# Altium PCB BitDogLab V7.PcbDoc (part 1 of 2)
Units mm, origin at the board's own origin, x right, y up, seen from the top; angles counter-clockwise.
Board outline 90 x 98 mm, 2 copper layers (Top Layer, Bottom Layer); 93 components, 72 nets, 354 pads, 55 vias.
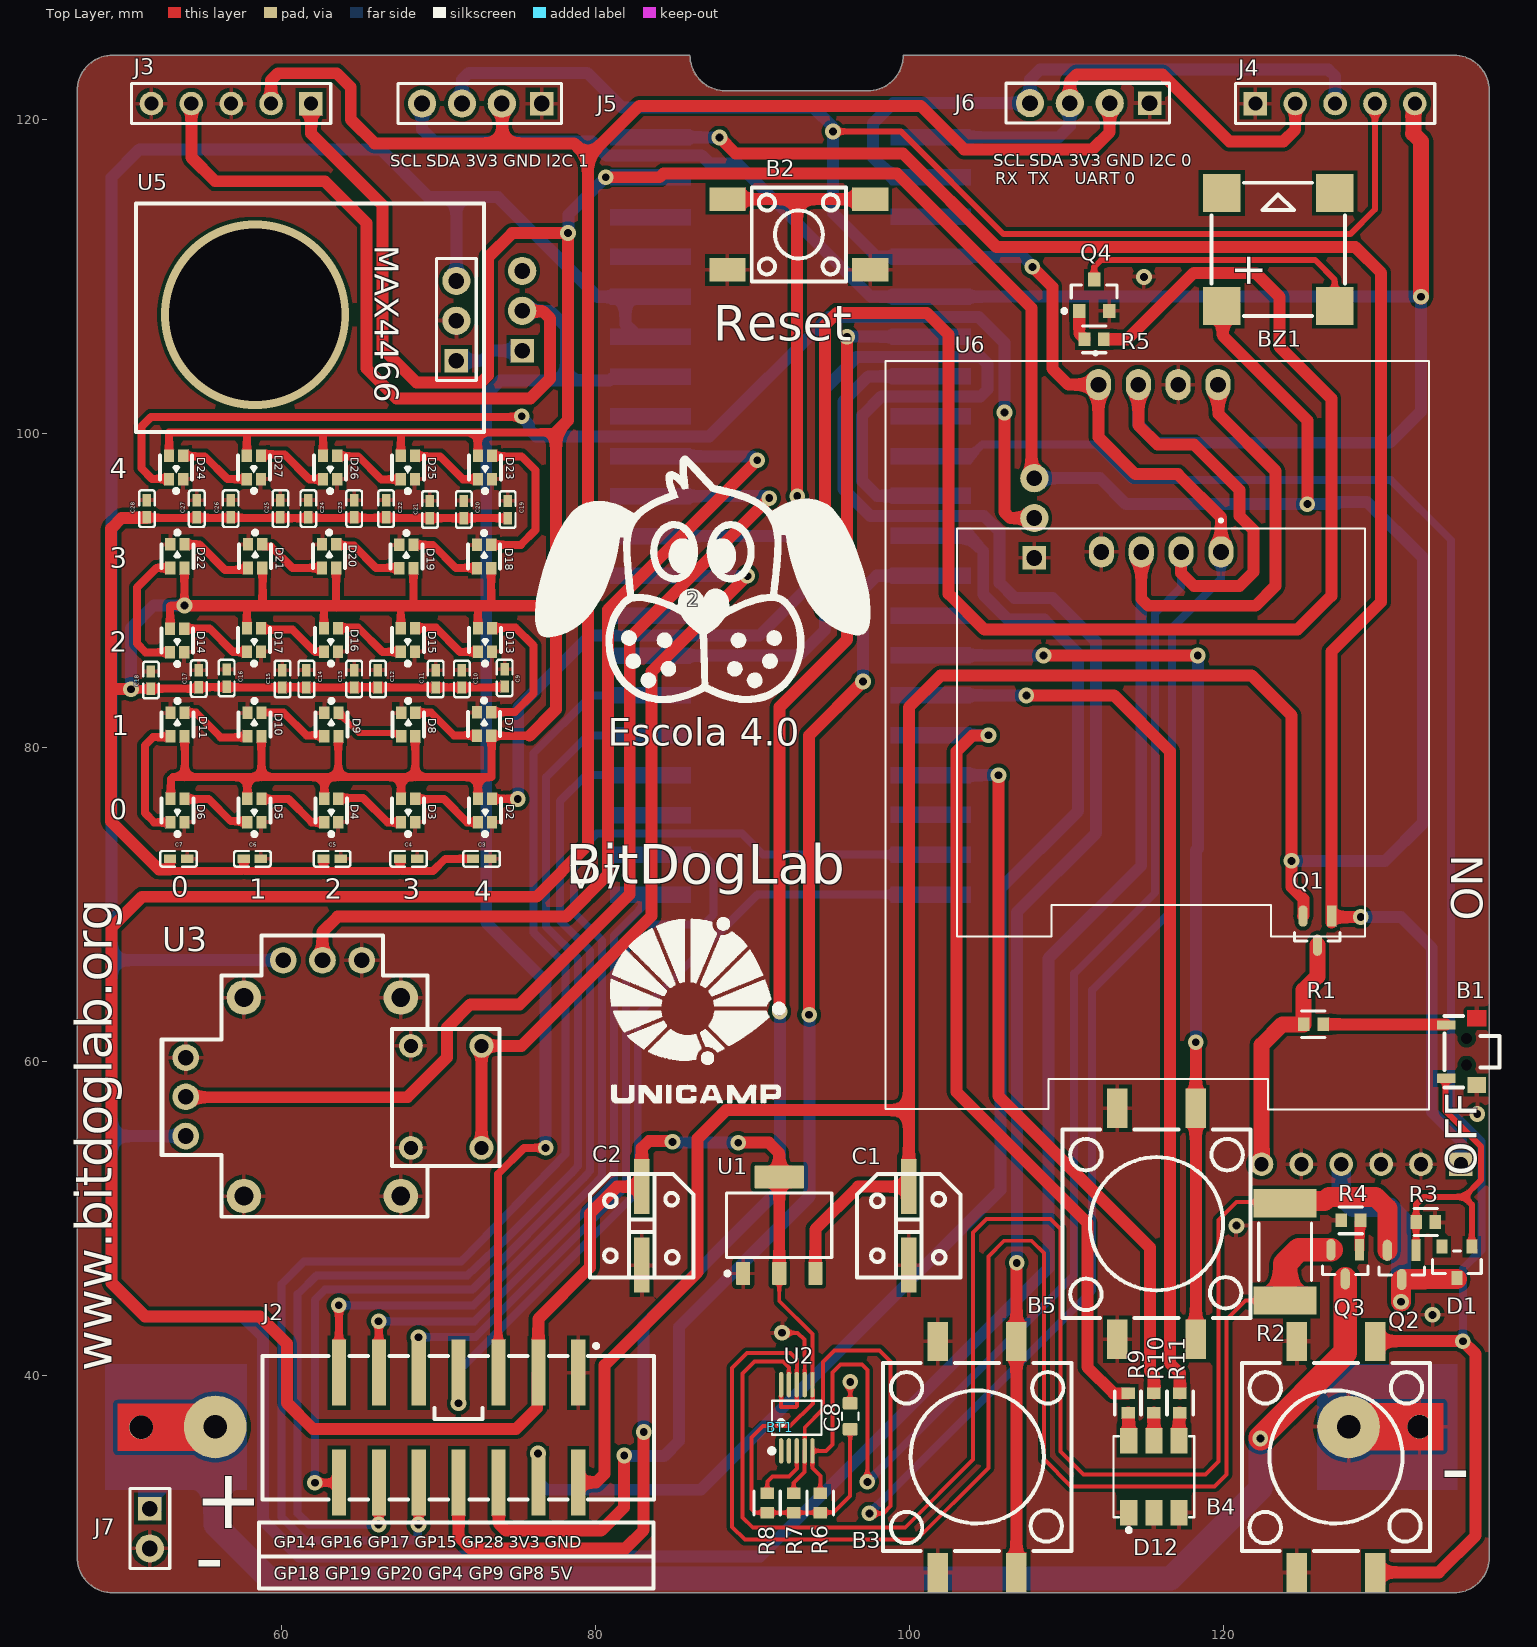
[diagram p0: Top Layer view]
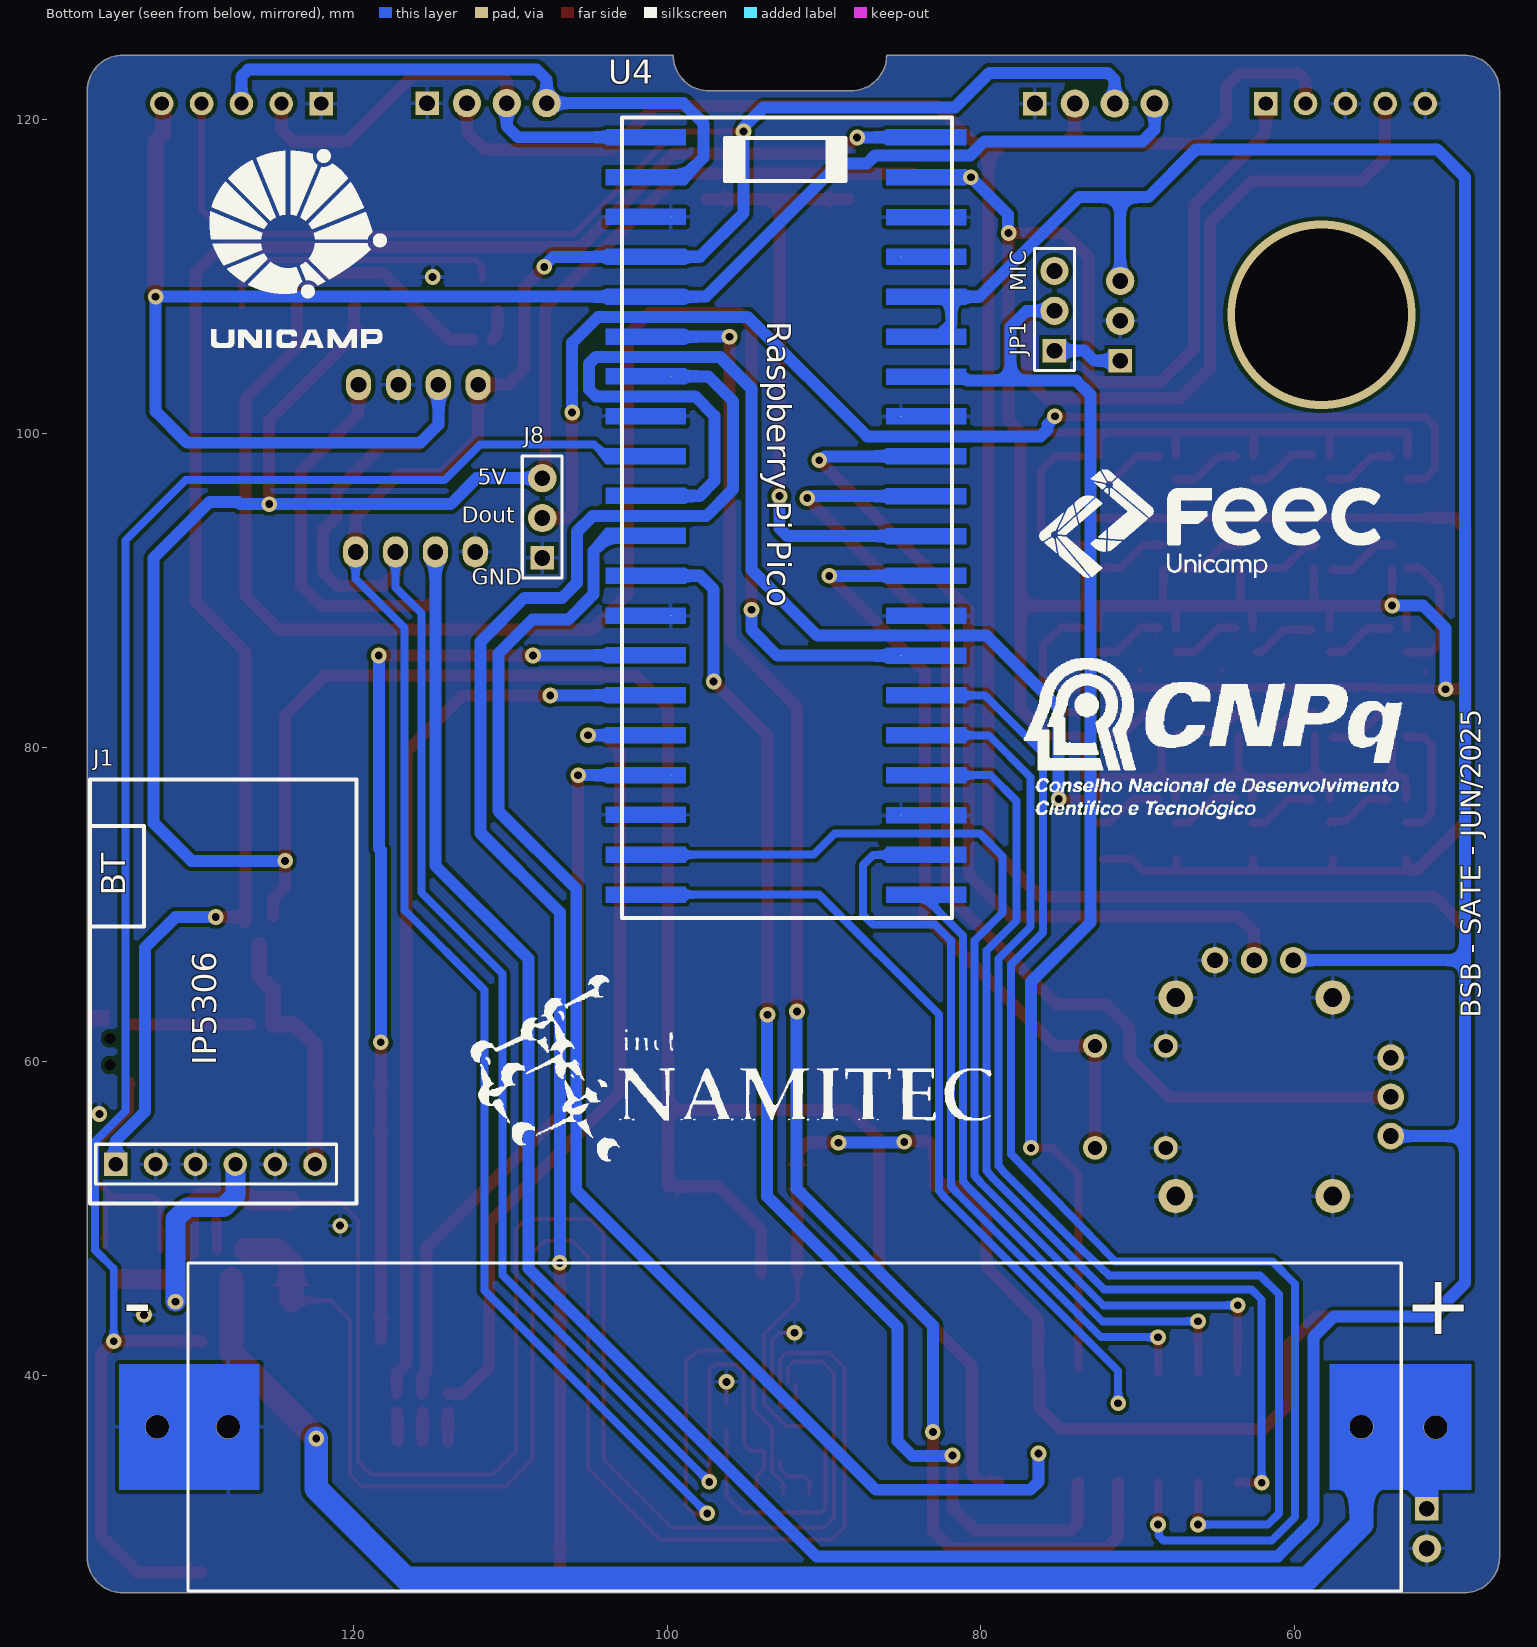
[diagram p1: Bottom Layer view, seen from below]
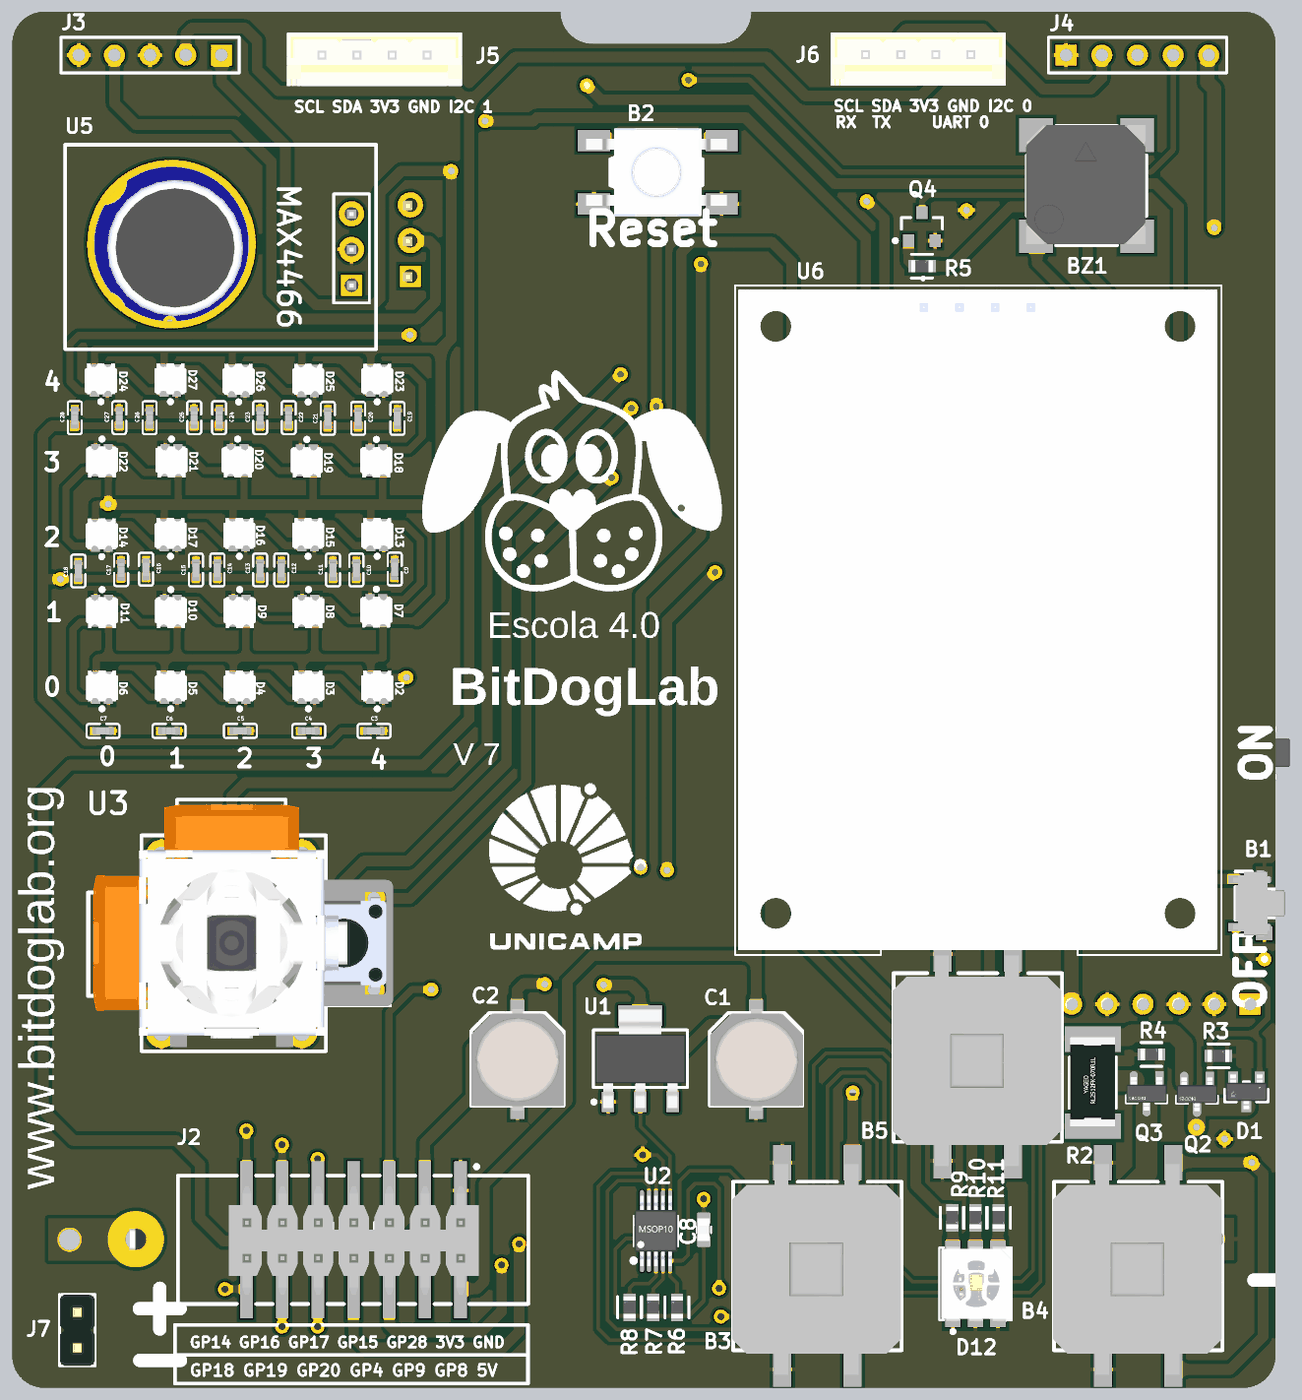
[diagram p3: 3D render of the assembled board from above, using the file's embedded part models]
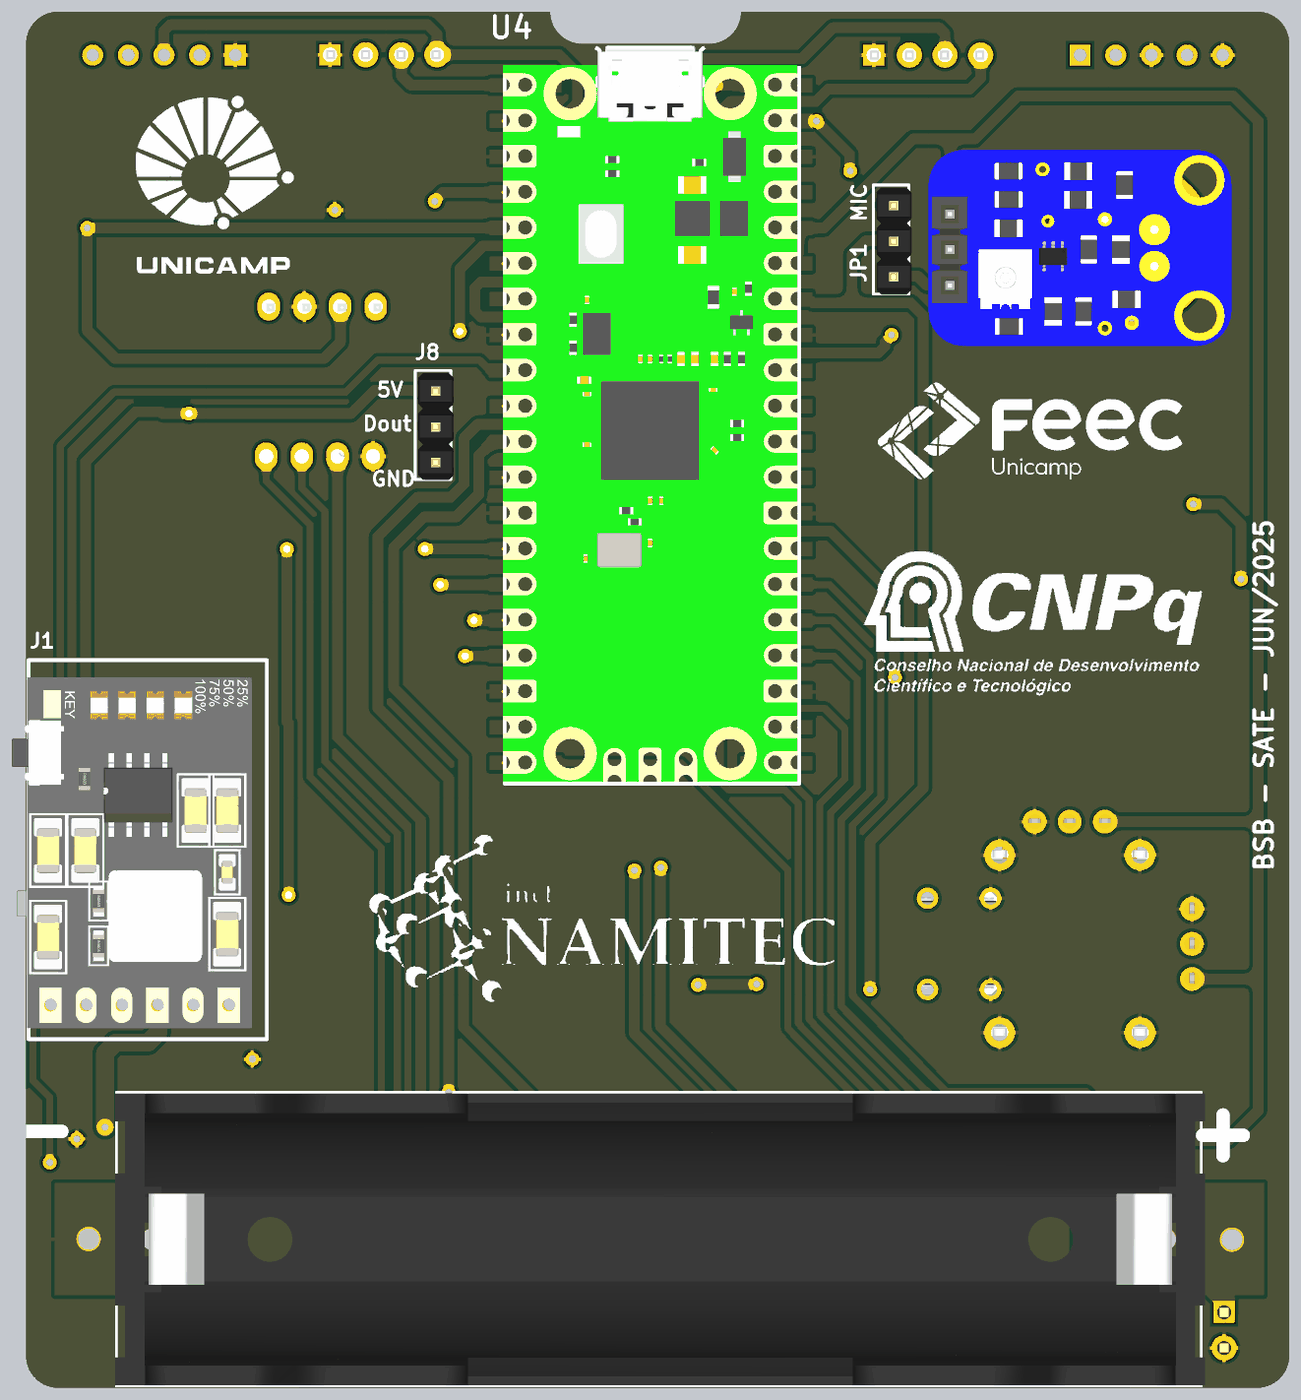
[diagram p4: 3D render of the assembled board from below, using the file's embedded part models]

## Layer stack, top to bottom
Top Solder: solder mask 0.0102, Solder Resist, Dk 3.5
Top Layer: signal copper 0.0356
Dielectric 1: dielectric 0.32, FR-4, Dk 4.8
Bottom Layer: signal copper 0.0356
Bottom Solder: solder mask 0.0102, Solder Resist, Dk 3.5

## Board outline
46.948,28.407 46.948,121.835 cw(c49.234,121.835) 49.234,124.121 86.006,124.121 ccw(c88.292,124.121) 88.292,121.835 97.318,121.835 ccw(c97.318,124.121) 99.604,124.121 134.662,124.121 cw(c134.662,121.835) 136.948,121.835 136.948,28.407 cw(c134.662,28.407) 134.662,26.121 49.234,26.121 cw(c49.234,28.407)

## Design rules (kind name [scope] priority, off if disabled: settings)
Clearance [All] p1: gap=0.254 ignorepadtopadclearanceinfootprint=FALSE
ComponentClearance ComponentClearance_J19 [InComponent('D19')] p1: gap=0 collisioncheckmode=3 verticalgap=2540 showdistances=FALSE
Height [All] p1: minheight=0 maxheight=35 prefheight=12.7
PolygonConnect [All] p1: connectstyle=Relief reliefconductorwidth=0.254 reliefentries=4 polygonreliefangle="90 Angle" airgapwidth=0.254
RoutingVias [All] p1: holewidth=0.711 width=1.27 viastyle="Through Hole" minholewidth=0.711 minwidth=1.27 maxholewidth=0.711 maxwidth=1.27
SolderMaskExpansion [All] p1: expansion=0.102 istentingtop=FALSE
SupplyNets "Schematic Supply Nets_1" [InNet('GND')] p1: voltage=0.000
Width [All] p1: maxlimit=2.54 minlimit=0.254 preferedwidth=0.762
28 further rules are at their usual default settings.

## Components (designator, comment, footprint, x,y, rotation, side; value= is the part's Value field where it differs from the comment)
2 "Comment" "logo bitDog 25mm" 86.995,90.17 r0 top value=LOGO
B1 "Desliga" "CHAVE TÁCTIL SMD 90" 135.494,59.763 r270 top
B2 "RESET" "CHAVE TÁCTIL SMD" 97.492,110.435 r180 top
B3 "BOTÃO A" "CHAVE TÁCTIL 12mm - SMD" 101.807,27.432 r90 top
B4 "BOTÃO B" "CHAVE TÁCTIL 12mm - SMD" 124.667,27.432 r90 top
B5 "BOTÃO C" "CHAVE TÁCTIL 12mm - SMD" 113.237,42.291 r90 top
BT1 "FP-1043P-MFG" "Bateria 18650 - SMD" 55.753,36.703 r270 top
BZ1 "MLT-8530" "Buzzer SMD - MLT-8530" 119.89,108.133 r0 top
C1 "Capacitor Eletrolítico SMD,D6.3xL5.4mm" "Capacitor SMD - 6.3 x 5.4mm" 99.949,52.017 r0 top value=100uF
C2 "Capacitor Eletrolítico SMD,D6.3xL5.4mm" "Capacitor SMD - 6.3 x 5.4mm" 82.931,52.017 r0 top value=100uF
C3 "Cap" "Capacitor SMD 0402" 72.178,72.901 r0 top value=0.1uF
C4 "Cap" "Capacitor SMD 0402" 67.531,72.901 r0 top value=0.1uF
C5 "Cap" "Capacitor SMD 0402" 62.653,72.901 r0 top value=0.1uF
C6 "Cap" "Capacitor SMD 0402" 57.573,72.901 r0 top value=0.1uF
C7 "Cap" "Capacitor SMD 0402" 52.874,72.901 r0 top value=0.1uF
C8 "Cap" "Capacitor SMD 0603" 96.215,36.551 r90 top value=0.1uF
C9 "Cap" "Capacitor SMD 0402" 74.198,83.883 r90 top value=0.1uF
C10 "Cap" "Capacitor SMD 0402" 71.468,83.82 r90 top value=0.1uF
C11 "Cap" "Capacitor SMD 0402" 69.801,83.82 r90 top value=0.1uF
C12 "Cap" "Capacitor SMD 0402" 66.118,83.82 r90 top value=0.1uF
C13 "Cap" "Capacitor SMD 0402" 64.61,83.82 r90 top value=0.1uF
C14 "Cap" "Capacitor SMD 0402" 61.562,83.82 r90 top value=0.1uF
C15 "Cap" "Capacitor SMD 0402" 60.038,83.82 r90 top value=0.1uF
C16 "Cap" "Capacitor SMD 0402" 56.482,83.873 r90 top value=0.1uF
C17 "Cap" "Capacitor SMD 0402" 54.704,83.836 r90 top value=0.1uF
C18 "Cap" "Capacitor SMD 0402" 51.656,83.746 r90 top value=0.1uF
C19 "Cap" "Capacitor SMD 0402" 74.389,94.615 r90 top value=0.1uF
C20 "Cap" "Capacitor SMD 0402" 71.595,94.615 r90 top value=0.1uF
C21 "Cap" "Capacitor SMD 0402" 69.436,94.615 r90 top value=0.1uF
C22 "Cap" "Capacitor SMD 0402" 66.642,94.668 r90 top value=0.1uF
C23 "Cap" "Capacitor SMD 0402" 64.61,94.668 r90 top value=0.1uF
C24 "Cap" "Capacitor SMD 0402" 61.689,94.668 r90 top value=0.1uF
C25 "Cap" "Capacitor SMD 0402" 59.911,94.668 r90 top value=0.1uF
C26 "Cap" "Capacitor SMD 0402" 56.736,94.668 r90 top value=0.1uF
C27 "Cap" "Capacitor SMD 0402" 54.577,94.668 r90 top value=0.1uF
C28 "Cap" "Capacitor SMD 0402" 51.402,94.668 r90 top value=0.1uF
D1 "BAT54S" FP-6_541-5014_01-4-MFG 134.874,47.193 r270 top value=10pF
D2 "XINGLIGHT XL-1615RGBC-WS2812B" "LED RGB - XL-1615RGBC-WS2812B" 72.496,75.227 r90 top
D3 "XINGLIGHT XL-1615RGBC-WS2812B" "LED RGB - XL-1615RGBC-WS2812B" 67.596,75.227 r90 top
D4 "XINGLIGHT XL-1615RGBC-WS2812B" "LED RGB - XL-1615RGBC-WS2812B" 62.696,75.227 r90 top
D5 "XINGLIGHT XL-1615RGBC-WS2812B" "LED RGB - XL-1615RGBC-WS2812B" 57.796,75.227 r90 top
D6 "XINGLIGHT XL-1615RGBC-WS2812B" "LED RGB - XL-1615RGBC-WS2812B" 52.896,75.227 r90 top
D7 "XINGLIGHT XL-1615RGBC-WS2812B" "LED RGB - XL-1615RGBC-WS2812B" 73.339,82.243 r270 top
D8 "XINGLIGHT XL-1615RGBC-WS2812B" "LED RGB - XL-1615RGBC-WS2812B" 68.501,82.216 r270 top
D9 "XINGLIGHT XL-1615RGBC-WS2812B" "LED RGB - XL-1615RGBC-WS2812B" 63.601,82.216 r270 top
D10 "XINGLIGHT XL-1615RGBC-WS2812B" "LED RGB - XL-1615RGBC-WS2812B" 58.701,82.216 r270 top
D11 "XINGLIGHT XL-1615RGBC-WS2812B" "LED RGB - XL-1615RGBC-WS2812B" 53.801,82.216 r270 top
D12 "HL-AF-5060H271BU46FU79GC-S1-THL" "LED RGB SMD 5050" 126.041,34.861 r90 top
D13 "XINGLIGHT XL-1615RGBC-WS2812B" "LED RGB - XL-1615RGBC-WS2812B" 72.496,86.088 r90 top
D14 "XINGLIGHT XL-1615RGBC-WS2812B" "LED RGB - XL-1615RGBC-WS2812B" 52.881,86.062 r90 top
D15 "XINGLIGHT XL-1615RGBC-WS2812B" "LED RGB - XL-1615RGBC-WS2812B" 67.576,86.089 r90 top
D16 "XINGLIGHT XL-1615RGBC-WS2812B" "LED RGB - XL-1615RGBC-WS2812B" 62.676,86.089 r90 top
D17 "XINGLIGHT XL-1615RGBC-WS2812B" "LED RGB - XL-1615RGBC-WS2812B" 57.776,86.089 r90 top
D18 "XINGLIGHT XL-1615RGBC-WS2812B" "LED RGB - XL-1615RGBC-WS2812B" 73.339,92.911 r270 top
D19 "XINGLIGHT XL-1615RGBC-WS2812B" "LED RGB - XL-1615RGBC-WS2812B" 68.386,92.911 r270 top
D20 "XINGLIGHT XL-1615RGBC-WS2812B" "LED RGB - XL-1615RGBC-WS2812B" 63.46,92.935 r270 top
D21 "XINGLIGHT XL-1615RGBC-WS2812B" "LED RGB - XL-1615RGBC-WS2812B" 58.745,92.935 r270 top
D22 "XINGLIGHT XL-1615RGBC-WS2812B" "LED RGB - XL-1615RGBC-WS2812B" 53.792,92.935 r270 top
D23 "XINGLIGHT XL-1615RGBC-WS2812B" "LED RGB - XL-1615RGBC-WS2812B" 72.496,97.088 r90 top
D24 "XINGLIGHT XL-1615RGBC-WS2812B" "LED RGB - XL-1615RGBC-WS2812B" 52.815,97.097 r90 top
D25 "XINGLIGHT XL-1615RGBC-WS2812B" "LED RGB - XL-1615RGBC-WS2812B" 67.579,97.078 r90 top
D26 "XINGLIGHT XL-1615RGBC-WS2812B" "LED RGB - XL-1615RGBC-WS2812B" 62.626,97.078 r90 top
D27 "XINGLIGHT XL-1615RGBC-WS2812B" "LED RGB - XL-1615RGBC-WS2812B" 57.768,97.097 r90 top
J1 "IP5306 Battery Charger" "Charger Module IP5306" 135.128,53.442 r90 bottom
J2 "Conector IDC" "Conector IDC 14 Pinos" 70.739,36.449 r180 top
J3 "Header 5" HDR1X5 61.849,121.031 r180 top
J4 "Header 5" HDR1X5 122.036,121.031 r0 top
J5 "Header 4" "Connector XH 1x4" 76.553,121.031 r180 top
J6 "Header 4" "Connector XH 1x4" 115.291,121.056 r180 top
J7 "KRE" "HDR1X2 3D Macho" 51.587,31.496 r270 top
J8 "Header 3" "HDR1x3 3D Macho" 107.95,92.075 r90 bottom
JP1 "Jumper" "HDR1x3 3D Macho" 75.311,105.283 r90 bottom
Q1 "DMG2305UX-7" FP-SOT23-IPC_B 125.984,68.326 r270 top
Q2 "DMG2305UX-7" FP-SOT23-IPC_B 131.358,47.026 r270 top
Q3 "DMG2305UX-7" FP-SOT23-IPC_B 127.762,47.066 r270 top
Q4 "BC817" ONSC-SOT-23-3-318-08_V 111.76,108.811 r90 top
R1 "10K" FP-CRCW0603-e3-IPC_C 125.73,62.357 r0 top
R2 "0R1" FP-RL2512-MFG 123.927,47.854 r90 top value=100mΩ
R3 "100K" FP-CRCW0603-e3-IPC_C 132.893,49.759 r0 top
R4 "100K" FP-CRCW0603-e3-IPC_C 128.118,49.86 r0 top
R5 "330R" FP-CRCW0603-e3-IPC_C 111.76,106.001 r0 top
R6 "10K" FP-CRCW0603-e3-IPC_C 94.31,31.852 r90 top
R7 "10K" FP-CRCW0603-e3-IPC_C 92.608,31.852 r90 top
R8 "10K" FP-CRCW0603-e3-IPC_C 90.932,31.857 r90 top
R9 "220R" FP-CRCW0603-e3-IPC_C 113.919,38.227 r270 top
R10 "220R" FP-CRCW0603-e3-IPC_C 115.57,38.227 r270 top
R11 "150R" FP-CRCW0603-e3-IPC_C 117.221,38.227 r270 top
U1 "LM1117MP-3.3/NOPB" DCY0004A_L 91.694,49.553 r90 top
U2 "INA226 - Power Meter I2C" "MSOP 10 Pinos" 93.646,42.808 r0 top
U3 "JoyStick 2 Eixos COM-09032" "JoyStick PCB - PS5 3.0" 69.535,48.825 r180 top
U4 "Raspberry Pi Pico" "Raspberry Pi Pico W - Header SMD Tipo 1 e 2" 99.75,118.882 r180 bottom
U5 "Mic MAX4466" MAX4466 71.12,104.648 r180 top
U6 "SSD1306" "DISPLAY OLED 128x128 e 128x64" 112.221,92.456 r0 top
